# Altium PCB PCB-Tester-Board-V1.PcbDoc (part 3 of 7)
Units mil, origin at the board's own origin, x right, y up, seen from the top; angles counter-clockwise.
Board outline 15748.03 x 11811.02 mil, 8 copper layers (Top Layer, Inner1, Inner2, Inner3, Inner4, Inner5, Inner6, Bottom Layer), stack 59.646 mil thick; 751 components, 658 nets, 2830 pads, 1014 vias.
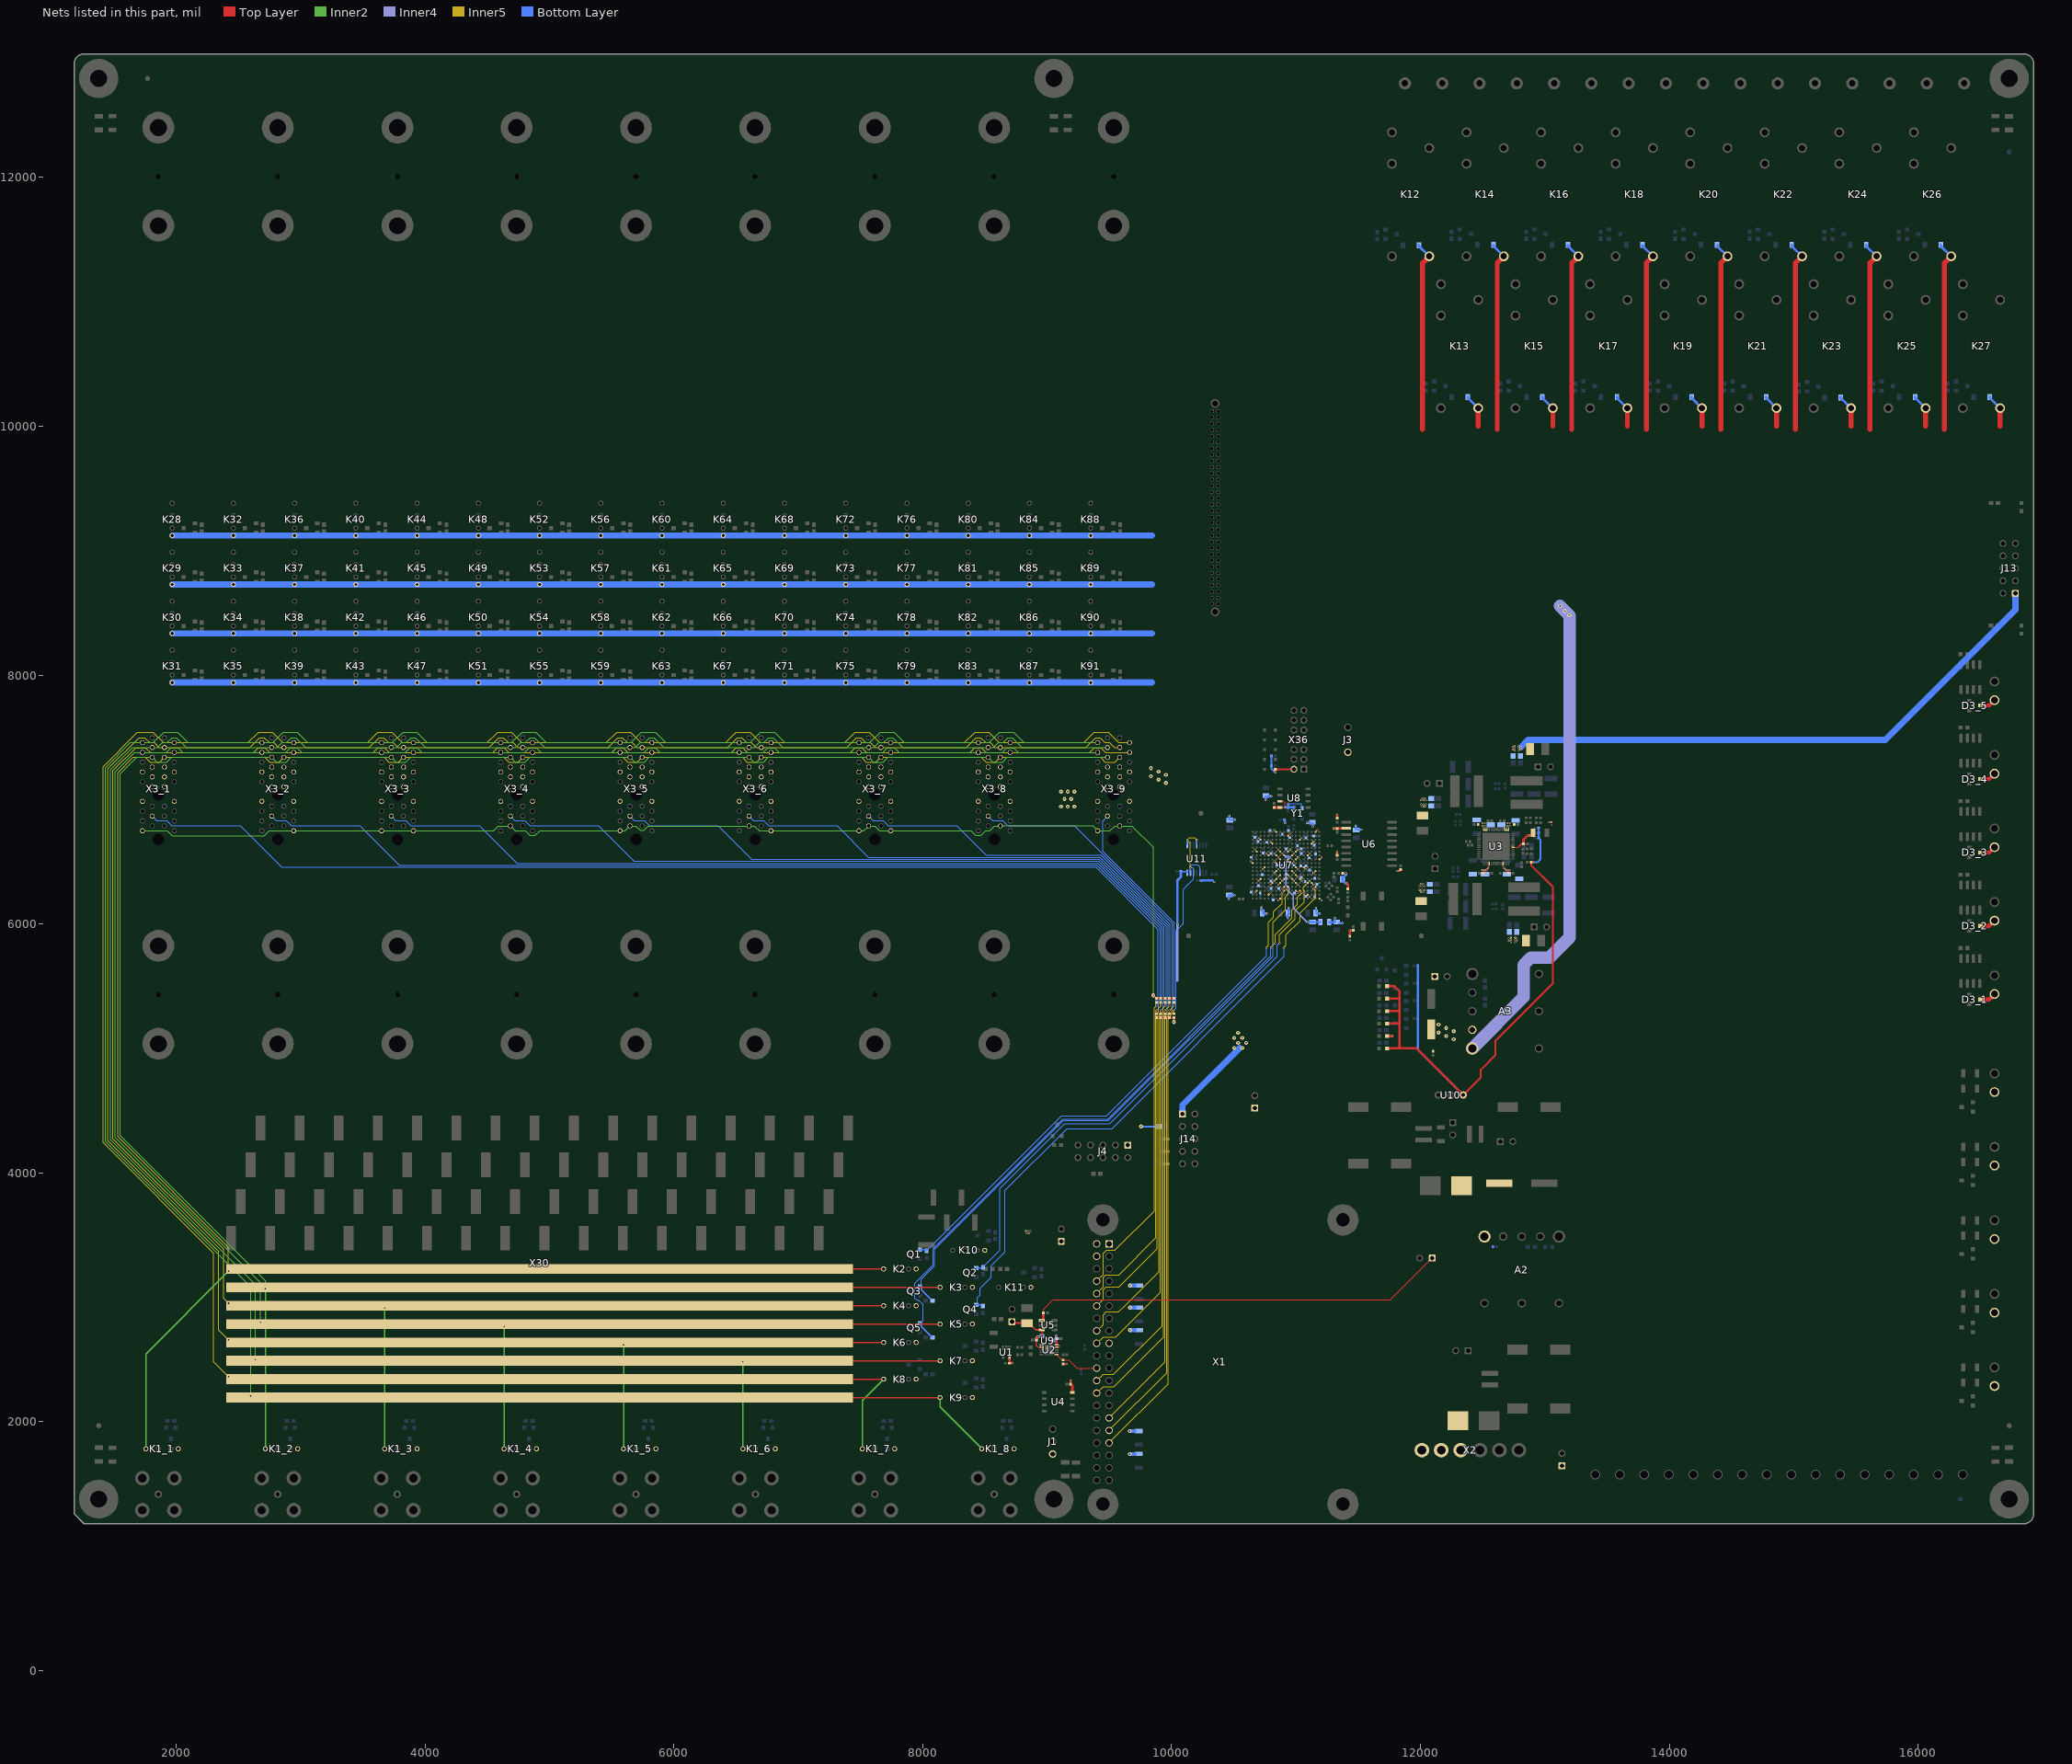
[diagram p9: the nets of this part, all layers, seen from the top]

## Part data (continued)
R1_1 R1_2 R1_3 R1_4 R1_5 R1_6 R1_7 R1_8 R2 R3 R4 R5 R6 R7 R8 R9 R14 R15 R16 R17 R18 R19 R20 R21 R22 R23 R24 R25 R26 R27 R28 R29 R30 R31 R32 R33 R38_1 R38_2 R38_3 R38_4 R38_5 R48 R49 R50 R51 R52 R53 R54 R55 R56 R57 R58 R59 R60 R61 R62 R63 R64 R65 R66 R67 R68 R69 R70 R71 R72 R73 R74 R75 R76 R77 R78 R79 R80 R81 R82 R83 R84 R85 R86 R87 R88 R89 R90 R91 R92 R93 R143 R144 R145 R146 R147 R148 R149 R150 R151 R152 R153 R154 R155 R156 R157 R158 R185 R187: "RES SMD 4.7K OHM 1% 1/10W 0603", 02. Distributor Part Number=311-4.70KHRCT-ND, 04. Manufacturer=Yageo, 07. Manufacturer  Part Number=RC0603FR-074K7L, 09. Operating Temperature=-xx..+yy°C, Tolerance=±1%, 01. Distributor=DigiKey, 03. Unit Price=0.09, 11. RoHS=???, 13. Created Date/Name=AUG2018/Hören, ComponentLink1Description=Info, ComponentLink2Description=DataSheet
R10 R11 R34 R35 R36 R37 R98 R100 R102 R104 R106 R184: library part R_10, "RES SMD 10K OHM 1% 1/16W 0402", 02. Distributor Part Number=311-10.0KLRDKR-ND, 04. Manufacturer=Yageo, 07. Manufacturer  Part Number=RC0402FR-0710KL, 09. Operating Temperature="-55°C ~ 155°C", Package=0402, Power Rating=63mW, Tolerance=±1%, 01. Distributor=DigiKey, 03. Unit Price=0.09, 11. RoHS=YES, 13. Created Date/Name=AUG2018/Hören, ComponentLink1Description=Info, ComponentLink1URL=https://www.digikey.de/products/en?keywords=311-10.0KLRDKR-ND, ComponentLink2Description=DataSheet, Type="Thick Film"
R12 R114: "RES SMD 33 OHM 1% 1/16W 0402", 02. Distributor Part Number=311-33.0LRDKR-ND, 04. Manufacturer=Yageo, 07. Manufacturer  Part Number=RC0402FR-0733RL, 09. Operating Temperature="-55°C ~ 155°C", Package=0402, Power Rating=0.1W, Tolerance=±1%, 01. Distributor=DigiKey, 03. Unit Price=0.09, 11. RoHS=YES, 13. Created Date/Name=AUG2018/Hören, ComponentLink1Description=Info, ComponentLink1URL=https://www.digikey.de/product-detail/en/panasonic-electronic-components/ERJ-2RKF15R0X/P15.0LDKR-ND/575530, ComponentLink2Description=DataSheet, ComponentLink2URL=https://industrial.panasonic.com/cdbs/www-data/pdf/RDA0000/AOA0000C304.pdf, Type="Thick Film"
R13: "RES SMD 1.8K OHM 1% 1/16W 0402", 02. Distributor Part Number=311-1.80KLRCT-ND, 04. Manufacturer=Yageo, 07. Manufacturer  Part Number=RC0402FR-071K8L, 09. Operating Temperature=-xx..+yy°C, Tolerance=±1%, 01. Distributor=DigiKey, 03. Unit Price=0.09, 11. RoHS=???, 13. Created Date/Name=AUG2018/Hören, ComponentLink1Description=Info, ComponentLink2Description=DataSheet
R39: "RES SMD 1.8K OHM 1% 1/16W 0402", 02. Distributor Part Number=311-1.80KLRCT-ND, 04. Manufacturer=Yageo, 07. Manufacturer  Part Number=RC0402FR-071K8L, 09. Operating Temperature="-55°C ~ 155°C", Package=0603, Power Rating=200mW, Tolerance=±1%, 01. Distributor=DigiKey, 03. Unit Price=0.09, 3D-Export=No, 11. RoHS=YES, 13. Created Date/Name=AUG2018/Hören, ComponentLink1Description=Info, ComponentLink1URL=https://www.digikey.de/product-detail/en/panasonic-electronic-components/ERJ-PB3B1801V/P19999DKR-ND/6215726, ComponentLink2Description=DataSheet, ComponentLink2URL=https://industrial.panasonic.com/cdbs/www-data/pdf/RDM0000/AOA0000C328.pdf
R40 R42: "RES SMD 16 OHM 1% 1/10W 0603", 02. Distributor Part Number=311-16.0HRDKR-ND, 04. Manufacturer=Yageo, 07. Manufacturer  Part Number=RC0603FR-0716RL, 09. Operating Temperature="-55°C ~ 155°C", Package=0603, Power Rating=100mW, Tolerance=±1%, 01. Distributor=DigiKey, 03. Unit Price=0.09, 3D-Export=No, 11. RoHS=YES, 13. Created Date/Name=AUG2018/Hören, ComponentLink1Description=Info, ComponentLink2Description=DataSheet, ComponentLink2URL=http://www.yageo.com/documents/recent/PYu-RC_Group_51_RoHS_L_10.pdf, Type="Thick Film"
  R40: ComponentLink1URL=https://www.digikey.de/product-detail/en/yageo/RC0603FR-0716R2L/311-16.2HRDKR-ND/732860
  R42: ComponentLink1URL=https://www.digikey.de/product-detail/en/yageo/RC0603FR-0716RL/311-16.0HRDKR-ND/732858
R41: "RES 8.56K OHM 0.1% 1/8W 0603", 02. Distributor Part Number=541-4554-6-ND, 04. Manufacturer="Vishay Dale", 07. Manufacturer  Part Number=TNPW06038K56BEEA, 09. Operating Temperature="-55°C ~ 155°C", Package=0603, Power Rating=125mW, Tolerance=±0.1%, 01. Distributor=DigiKey, 03. Unit Price=0.56, 3D-Export=No, 11. RoHS=YES, 13. Created Date/Name=AUG2018/Hören, ComponentLink1Description=Info, ComponentLink1URL=https://www.digikey.de/products/en/resistors/chip-resistor-surface-mount/52?k=&pkeyword=&sv=0&pv2085=u8.56+kOhms&pv3=370&sf=0&FV=ffe00034%2C1c00f3%2C1f140000&quantity=&ColumnSort=0&page=1&pageSize=25, ComponentLink2Description=DataSheet, ComponentLink2URL=http://www.vishay.com/docs/28758/tnpw_e3.pdf, Type="Thin Film"
R43 R94 R96 R118: "RES SMD 33 OHM 1% 1/16W 0402", 02. Distributor Part Number=311-33.0LRDKR-ND, 04. Manufacturer=Yageo, 07. Manufacturer  Part Number=RC0402FR-0733RL, 09. Operating Temperature="-55°C ~ 155°C", Package=0402, Power Rating=63mW, Tolerance=±1%, 01. Distributor=DigiKey, 03. Unit Price=0.09, 11. RoHS=YES, 13. Created Date/Name=AUG2018/Hören, ComponentLink1Description=Info, ComponentLink2Description=DataSheet, Type="Thick Film"
  R43 R118: ComponentLink1URL=https://www.digikey.de/products/en?keywords=311-33.0LRDKR-ND
  R94 R96: ComponentLink1URL=https://www.digikey.de/products/en?keywords=311-10.0KLRDKR-ND
R44 R46 R47 R160 R161 R164 R165: "RES SMD 4.7K OHM 1% 1/16W 0402", 02. Distributor Part Number=311-4.7KLRDKR-ND, 04. Manufacturer=Yageo, 07. Manufacturer  Part Number=RC0402FR-074K7L, 09. Operating Temperature="-55°C ~ 155°C", Package=0402, Power Rating=63mW, Tolerance=±1%, 01. Distributor=DigiKey, 03. Unit Price=0.09, 11. RoHS=YES, 13. Created Date/Name=AUG2018/Hören, ComponentLink1Description=Info, ComponentLink1URL=https://www.digikey.de/products/en?keywords=311-4.7KLRDKR-ND, ComponentLink2Description=DataSheet, Type="Thick Film"
R45 R159 R162: "RES SMD 330 OHM 1% 1/16W 0402", 02. Distributor Part Number=311-330LRDKR-ND, 04. Manufacturer=Yageo, 07. Manufacturer  Part Number=RC0402FR-07330RL, 09. Operating Temperature="-55°C ~ 155°C", Package=0402, Power Rating=63mW, Tolerance=±1%, 01. Distributor=DigiKey, 03. Unit Price=0.09, 11. RoHS=YES, 13. Created Date/Name=AUG2018/Hören, ComponentLink1Description=Info, ComponentLink1URL=https://www.digikey.de/products/en?keywords=311-330LRDKR-ND, ComponentLink2Description=DataSheet, Type="Thick Film"
R95 R97 R120 R121 R122 R124 R125 R126 R127 R128 R129 R130 R131 R132 R133 R134 R136 R137 R138 R139 R140 R186: "RES SMD 10K OHM 1% 1/16W 0402", 02. Distributor Part Number=311-10.0KLRDKR-ND, 04. Manufacturer=Yageo, 07. Manufacturer  Part Number=RC0402FR-0710KL, 09. Operating Temperature="-55°C ~ 155°C", Package=0402, Power Rating=63mW, Tolerance=±1%, 01. Distributor=DigiKey, 03. Unit Price=0.09, 11. RoHS=YES, 13. Created Date/Name=AUG2018/Hören, ComponentLink1Description=Info, ComponentLink1URL=https://www.digikey.de/products/en?keywords=311-10.0KLRDKR-ND, ComponentLink2Description=DataSheet, Type="Thick Film"
R99 R101 R105 R167 R168: "RES SMD 3.6K OHM 1% 1/10W 0603", 02. Distributor Part Number=311-3.60KHRCT-ND, 04. Manufacturer=Yageo, 07. Manufacturer  Part Number=RC0603FR-073K6L, 09. Operating Temperature="-55°C ~ 155°C", Package=0402, Power Rating=63mW, Tolerance=±1%, 01. Distributor=DigiKey, 03. Unit Price=0.09, 11. RoHS=YES, 13. Created Date/Name=AUG2018/Hören, ComponentLink1Description=Info, ComponentLink1URL=https://www.digikey.de/product-detail/en/yageo/RC0402FR-071K65L/YAG3043DKR-ND/5282914, ComponentLink2Description=DataSheet, Type="Thick Film"
R103: "RES SMD 1.65K OHM 1% 1/16W 0402", 02. Distributor Part Number=YAG3043DKR-ND, 04. Manufacturer=Yageo, 07. Manufacturer  Part Number=RC0402FR-071K65L, 09. Operating Temperature="-55°C ~ 155°C", Package=0402, Power Rating=63mW, Tolerance=±1%, 01. Distributor=DigiKey, 03. Unit Price=0.09, 11. RoHS=YES, 13. Created Date/Name=AUG2018/Hören, ComponentLink1Description=Info, ComponentLink1URL=https://www.digikey.de/product-detail/en/yageo/RC0402FR-071K65L/YAG3043DKR-ND/5282914, ComponentLink2Description=DataSheet, Type="Thick Film"
R107 R108 R115 R119 R163 R169 R170 R171 R172 R173 R174: library part R_19, "RES SMD 33 OHM 1% 1/16W 0402", 02. Distributor Part Number=311-33.0LRDKR-ND, 04. Manufacturer=Yageo, 07. Manufacturer  Part Number=RC0402FR-0733RL, 09. Operating Temperature="-55°C ~ 155°C", Package=0402, Power Rating=63mW, Tolerance=±1%, 01. Distributor=DigiKey, 03. Unit Price=0.09, 11. RoHS=YES, 13. Created Date/Name=AUG2018/Hören, ComponentLink1Description=Info, ComponentLink1URL=https://www.digikey.de/products/en?keywords=311-33.0LRDKR-ND, ComponentLink2Description=DataSheet, Type="Thick Film"
R109 R110 R113: "CRGP 2512 39K 1%", 02. Distributor Part Number=A130740CT-ND, 04. Manufacturer="TE Connectivity Passive Product", 07. Manufacturer  Part Number=CRGP2512F39K, 09. Operating Temperature=-xx..+yy°C, Tolerance=±1%, 01. Distributor=DigiKey, 03. Unit Price=0.44, 11. RoHS=???, 13. Created Date/Name=AUG2018/Hören, ComponentLink1Description=Info, ComponentLink2Description=DataSheet
R111 R112: "RES SMD 3.6K OHM 1% 1/10W 0603", 02. Distributor Part Number=311-3.60KHRCT-ND, 04. Manufacturer=Yageo, 07. Manufacturer  Part Number=RC0603FR-073K6L, 09. Operating Temperature=-xx..+yy°C, Tolerance=±1%, 01. Distributor=DigiKey, 03. Unit Price=0.09, 11. RoHS=???, 13. Created Date/Name=AUG2018/Hören, ComponentLink1Description=Info, ComponentLink2Description=DataSheet
R116_1 R116_2 R116_3 R116_4 R116_5 R117_1 R117_2 R117_3 R117_4 R117_5 R166_1 R166_2 R166_3 R166_4 R166_5: library part R_23, "RES SMD 12K OHM 1% 1/4W 1206", 02. Distributor Part Number=311-12.0KFRTR-ND, 04. Manufacturer=Yageo, 07. Manufacturer  Part Number=RC1206FR-0712KL, Package=1206, Tolerance=±1%, 01. Distributor=DigiKey, 03. Unit Price=0.00755, 11. RoHS=YES, ComponentLink1Description=Info, ComponentLink2Description=DataSheet
R123: library part R_24, "RES SMD 2.2 OHM 1% 1/16W 0402", 02. Distributor Part Number=311-2.20LRTR-ND, 04. Manufacturer=Yageo, 07. Manufacturer  Part Number=RC0402FR-072R2L, Package=0402, Power Rating=0.1W, Tolerance=±1%, 03. Unit Price=0.09, 11. RoHS=YES, ComponentLink1Description=Info, ComponentLink1URL=https://www.digikey.de/product-detail/en/panasonic-electronic-components/ERJ-2RKF15R0X/P15.0LDKR-ND/575530, ComponentLink2Description=DataSheet, ComponentLink2URL=https://industrial.panasonic.com/cdbs/www-data/pdf/RDA0000/AOA0000C304.pdf
R135 R141 R188: "RES SMD 1K OHM 1% 1/16W 0402", 02. Distributor Part Number=YAG1254CT-ND, 04. Manufacturer=Yageo, 07. Manufacturer  Part Number=RC0402FR-071KP, 09. Operating Temperature="-55°C ~ 155°C", Package=0402, Power Rating=63mW, Tolerance=±1%, 01. Distributor=DigiKey, 03. Unit Price=0.09, 11. RoHS=YES, 13. Created Date/Name=AUG2018/Hören, ComponentLink1Description=Info, ComponentLink1URL=https://www.digikey.de/products/en?keywords=311-10.0KLRDKR-ND, ComponentLink2Description=DataSheet, Type="Thick Film"
R142: library part R_25, "RES SMD 0 OHM JUMPER 1206", Package=1206, 11. RoHS=YES, ComponentLink1Description=Info, ComponentLink1URL=https://www.digikey.de/products/en?keywords=311-0.0JRDKR-ND, ComponentLink2Description=DataSheet
R175 R176: "RES SMD 1.8K OHM 1% 1/16W 0402", 02. Distributor Part Number=311-1.80KLRCT-ND, 04. Manufacturer=Yageo, 07. Manufacturer  Part Number=RC0402FR-071K8L, 09. Operating Temperature="-55°C ~ 155°C", Package=0402, Power Rating=63mW, Tolerance=±1%, 01. Distributor=DigiKey, 03. Unit Price=0.09, 11. RoHS=YES, 13. Created Date/Name=AUG2018/Hören, ComponentLink1Description=Info, ComponentLink1URL=https://www.digikey.de/product-detail/en/yageo/RC0402FR-071K65L/YAG3043DKR-ND/5282914, ComponentLink2Description=DataSheet, Type="Thick Film"
R177: "RES SMD 360K OHM 1% 1/4W 1206", 02. Distributor Part Number=311-360KFRCT-ND, 04. Manufacturer=Yageo, 07. Manufacturer  Part Number=RC1206FR-07360KL, 09. Operating Temperature=-xx..+yy°C, Tolerance=±1%, 01. Distributor=DigiKey, 03. Unit Price=0.09, 11. RoHS=???, 13. Created Date/Name=AUG2018/Hören, ComponentLink1Description=Info, ComponentLink2Description=DataSheet
R178 R179 R180 R181 R182 R183: "Resistor", 09. Operating Temperature=-xx..+yy°C, Tolerance=±1%, 11. RoHS=???, 13. Created Date/Name=AUG2018/Hören, ComponentLink1Description=Info, ComponentLink2Description=DataSheet
TP1 TP2 TP3 TP4 TP5 TP6 TP7 TP8 TP9 TP10 TP11 TP12 TP13: library part "DualTestpoint 100mils", "Dual testpoint, pitch 2.54mm", 02. Distributor Part Number=HMTSW-103-07-G-S-240, 04. Manufacturer="Samtec Inc.", 01. Distributor="Samtec Inc.", 03. Unit Price=0.25, 07. Manufacturer  Part Number=HMTSW-103-07-G-S-240, 11. RoHS=YES, 13. Created Date/Name=AUG2018/Hören, ComponentLink1Description=Info, ComponentLink1URL=https://www.samtec.com/products/hmtsw-103-07-g-s-240, ComponentLink2Description=DataSheet, ComponentLink2URL=http://suddendocs.samtec.com/catalog_english/hmtsw.pdf
U1: library part AD8627, "IC OPAMP JFET 5MHZ RRO SC70-5", 02. Distributor Part Number=AD8627AKSZ-R2DKR-ND, 04. Manufacturer="Analog Devices Inc.", 07. Manufacturer  Part Number=AD8627AKSZ-R2, 09. Operating Temperature="-40°C ~ 85°C", Package=SC70-5, 01. Distributor=DigiKey, 03. Unit Price=5.15, 11. RoHS=YES, 13. Created Date/Name="AUG 2018 / Hören", ComponentLink1Description=Info, ComponentLink1URL=https://www.digikey.de/product-detail/en/analog-devices-inc/AD8627AKSZ-R2/AD8627AKSZ-R2DKR-ND/3878640, ComponentLink2Description=DataSheet, ComponentLink2URL=http://www.analog.com/media/en/technical-documentation/data-sheets/AD8625_8626_8627.pdf, Part=AD8627
U2: library part MCP33151-10T-E/MN, "14-BIT 1 MSPS SGL CH SGL-ENDED S", 02. Distributor Part Number=MCP33151-10T-E/MNDKR-ND, 04. Manufacturer="Microchip Technology", Package="10-WFDFN Exposed Pad", 01. Distributor=DigiKey, 03. Unit Price=4.5, 07. Manufacturer  Part Number=MCP33151-10T-E/MN, 11. RoHS=YES, 13. Created Date/Name="AUG 2018 / Hören", ComponentLink1Description=Info, ComponentLink1URL=https://www.digikey.de/product-detail/en/microchip-technology/MCP33151-10T-E-MN/MCP33151-10T-E-MNDKR-ND/10270414, ComponentLink2Description=DataSheet, ComponentLink2URL=http://ww1.microchip.com/downloads/en/DeviceDoc/MCP33151-XX-Family-Data-Sheet-DS20006220A.pdf, NicName=MCP33151
U3: "POL - SUPIRBUCK", 02. Distributor Part Number=IRPS5401MTRPBFCT-ND, 04. Manufacturer="Infineon Technologies", 07. Manufacturer  Part Number=IRPS5401MTRPBF, MFR=Infineon, 01. Distributor=DigiKey, 03. Unit Price=6.99, 11. RoHS=YES, ComponentLink4Description=Info, ComponentLink4URL=https://www.digikey.de/products/en?keywords=XC7A15T-1CSG324C, ComponentLink5Description=DataSheet, ComponentLink5URL=https://www.xilinx.com/support/documentation/data_sheets/ds181_Artix_7_Data_Sheet.pdf, ComponentLink6Description=NXP, ComponentLink6URL=https://www.nxp.com/part/MK20DN512VMD10, MFR-PN=IRPS5401MTRPBF, NicName=IRPS5401M
U4: library part 24LC256T-I/SN, "IC EEPROM 256K I2C 400KHZ 8SOIC", 02. Distributor Part Number=24LC256T-I/SNDKR-ND, 04. Manufacturer="Microchip Technology", Package=SOIC8, 01. Distributor=DigiKey, 03. Unit Price=0.71, 07. Manufacturer  Part Number=24LC256T-I/SN, 11. RoHS=YES, 13. Created Date/Name="AUG 2018 / Hören", ComponentLink1Description=Info, ComponentLink1URL=https://www.digikey.de/product-detail/en/microchip-technology/24LC256T-I-SN/24LC256T-I-SNDKR-ND/1850685, ComponentLink2Description=DataSheet, ComponentLink2URL=http://ww1.microchip.com/downloads/en/DeviceDoc/24AA256-24LC256-24FC256-Data-Sheet-20001203W.pdf
U5: library part LT1790BCS6-5, "IC VREF SERIES 5V, 0.1% TSOT-23-6", 02. Distributor Part Number=LT1790BCS6-5#TRMPBFDKR-ND, 04. Manufacturer="Linear Technology/Analog Devices", 07. Manufacturer  Part Number=LT1790BCS6-5#TRMPBF, 09. Operating Temperature="0°C ~ 70°C (TA)", 01. Distributor=DigiKey, 03. Unit Price=2.86, 11. RoHS=YES, 13. Created Date/Name="AUG 2018 / Hören", ComponentLink1Description=Info, ComponentLink1URL=https://www.digikey.de/product-detail/en/linear-technology-analog-devices/LT1790BCS6-5-TRMPBF/LT1790BCS6-5-TRMPBFDKR-ND/1618066, ComponentLink2Description=DataSheet, ComponentLink2URL=https://www.analog.com/media/en/technical-documentation/data-sheets/1790fc.pdf, NicName=LT1790BCS6-5
U6: library part S25FL128SAGMFI000, "IC FLASH 128M SPI 133MHZ 16SOIC", 02. Distributor Part Number=1274-1000-ND, 04. Manufacturer="Cypress Semiconductor Corp", 01. Distributor=Digikey, 03. Unit Price=2.77, 07. Manufacturer  Part Number=S25FL128SAGMFI000, ComponentLink2Description=DataSheet, NickName=S25FL128SAGMFI000
U7: library part XC7A15T-CS324, "XC7A15T-1CSG324C", 04. Manufacturer=XILINX, 09. Operating Temperature="0°C ~ 85°C (TJ)", 01. Distributor=Avnet, 02. Distributor Part Number=XC7A15T-1CSG324C, 03. Unit Price=20.65, 07. Manufacturer  Part Number=XC7A15T-1CSG324C, 11. RoHS=YES, ComponentLink4Description=Info, ComponentLink4URL=https://www.digikey.de/products/en?keywords=XC7A15T-1CSG324C, ComponentLink5Description=DataSheet, ComponentLink5URL=https://www.xilinx.com/support/documentation/data_sheets/ds181_Artix_7_Data_Sheet.pdf, ComponentLink6Description=NXP, ComponentLink6URL=https://www.nxp.com/part/MK20DN512VMD10, MFR=XILINX, MFR-PN=XC7A15T-CS324, NicName=XC7A15T, POPULATED=yes
U8: library part MX25R3235FM1IH0, "IC FLASH 32M SPI 80MHZ 8SOP", 02. Distributor Part Number=1092-1175-ND, 04. Manufacturer=Macronix, 01. Distributor=DigiKey, 03. Unit Price=0.79, 07. Manufacturer  Part Number=MX25R3235FM1IH0, 13. Created Date/Name="AUG 2018 / Hören", ComponentLink1Description=Info, ComponentLink1URL=https://www.digikey.de/product-detail/en/macronix/MX25R3235FM1IH0/1092-1175-ND/5957736, ComponentLink2Description=DataSheet, ComponentLink2URL=https://www.macronix.com/Lists/Datasheet/Attachments/7534/MX25R3235F%2c%20Wide%20Range%2c%2032Mb%2c%20v1.6.pdf
U9: library part AP2138N, "IC REG LINEAR 1.8V 250MA SOT23-3", 02. Distributor Part Number=AP2138N-1.8TRG1DICT-ND, 04. Manufacturer="Diodes Incorporated", 07. Manufacturer  Part Number=AP2138N-1.8TRG1, 01. Distributor=DigiKey, 03. Unit Price=0.43, 11. RoHS=YES, ComponentLink1Description=Info, ComponentLink2Description=DataSheet
U10: library part "TSR 2-2450", "DC DC CONVERTER 5V 10W", 02. Distributor Part Number=1951-2692-ND, 04. Manufacturer="Traco Power", Package=3SIP, 01. Distributor=DigiKey, 03. Unit Price=11.31, 07. Manufacturer  Part Number="TSR 2-2450", 11. RoHS=YES, 13. Created Date/Name="AUG 2018 / Hören", ComponentLink1Description=Info, ComponentLink1URL=https://www.digikey.de/products/en/power-supplies-board-mount/dc-dc-converters/922?k=TSR2&k=&pkeyword=TSR2&sv=0&pv1525=249171&sf=0&FV=-8%7C922&quantity=&ColumnSort=0&page=1&pageSize=25, ComponentLink2Description=DataSheet, ComponentLink2URL=https://www.tracopower.com/products/tsr2.pdf
U11: library part 74LCX125, "IC BUF NON-INVERT 3.6V 14TSSOP", 02. Distributor Part Number=497-13204-1-ND, 04. Manufacturer=STMicroelectronics, 07. Manufacturer  Part Number=74LCX125YTTR, Package=TSSOP14, 01. Distributor=DigiKey, 03. Unit Price=0.51, 11. RoHS=YES, ComponentLink1Description=Info, ComponentLink2Description=DataSheet
X1: library part "RPI4B Footprint", "40 Position Elevated Socket Connector  Through Hole", 02. Distributor Part Number=ESW-120-23-L-D-LL, 04. Manufacturer="Samtec Inc.", 01. Distributor=Samtec, 03. Unit Price=5.34, 07. Manufacturer  Part Number=ESW-120-23-L-D-LL, 13. Created Date/Name="??? / Hören", ComponentLink1Description=Info, ComponentLink1URL=https://www.samtec.com/products/esw-120-23-l-d-ll, ComponentLink2Description=DataSheet, ComponentLink2URL=http://suddendocs.samtec.com/catalog_english/esw_th.pdf, System=Connector
X2: library part B6PS-VH, "CONN HEADER R/A 6POS 3.96MM", 02. Distributor Part Number=455-1652-ND, 04. Manufacturer="JST Sales America Inc.", 07. Manufacturer  Part Number=B6PS-VH(LF)(SN), 09. Operating Temperature="-25°C ~ 85°C", 01. Distributor=DigiKey, 03. Unit Price=0.38, 11. RoHS=YES, 13. Created Date/Name="AUG 2018 / Hören", ComponentLink1Description=Info, ComponentLink1URL=https://www.digikey.de/product-detail/en/jst-sales-america-inc/B6PS-VH-LF-SN/455-1652-ND/926559, ComponentLink2Description=DataSheet, ComponentLink2URL=http://www.jst-mfg.com/product/pdf/eng/eVH.pdf, System=Connector
X3_1 X3_2 X3_3 X3_4 X3_5 X3_6 X3_7 X3_8 X3_9: library part PCIE-036-02-F-D-TH, "CONN PCI EXP FMALE 36POS 0.039", 02. Distributor Part Number=SAM10625-ND, 04. Manufacturer="Samtec Inc.", 01. Distributor=DigiKey, 03. Unit Price=1.76, 07. Manufacturer  Part Number=PCIE-036-02-F-D-TH, 13. Created Date/Name="??? / Hören", ComponentLink1Description=Info, ComponentLink1URL=https://www.digikey.de/products/en?keywords=PCIE-036-02-F-D-TH, ComponentLink2Description=DataSheet, ComponentLink2URL=http://suddendocs.samtec.com/catalog_english/pcie.pdf, System=Connector
X4 X7 X10 X15 X17 X21 X25 X27: library part 691352710002, "TERM BLOCK PLUG 2POS STR 5MM", 02. Distributor Part Number=732-2775-ND, 04. Manufacturer="Würth Elektronik", 01. Distributor=DigiKey, 03. Unit Price=1.1, 07. Manufacturer  Part Number=691352710002, 13. Created Date/Name="??? / Hören", ComponentLink1Description=Info, ComponentLink1URL=https://www.digikey.de/products/en?keywords=691352710002, ComponentLink2Description=DataSheet, ComponentLink2URL=https://www.we-online.de/katalog/datasheet/6913527100xx.pdf, System=Connector
X5 X8 X11 X14 X18 X20 X23 X26: library part 1731721, "TERM BLK 2P SIDE ENT 7.62MM PCB", 02. Distributor Part Number=277-5849-ND, 04. Manufacturer="Phoenix Contact", 01. Distributor=DigiKey, 03. Unit Price=2.12, 07. Manufacturer  Part Number=1731721, 11. RoHS=YES, 13. Created Date/Name="JAN 2019 / Hören", ComponentLink1Description=Info, ComponentLink1URL=https://www.digikey.de/products/en?keywords=1731721, ComponentLink2Description=DataSheet, ComponentLink2URL=https://media.digikey.com/pdf/Data%20Sheets/Phoenix%20Contact%20PDFs/1731721.pdf, System=Connector
X6 X9 X12 X13 X16 X19 X22 X24: library part 691312710002, "TERM BLOCK HDR 2POS 90DEG 5MM", 02. Distributor Part Number=732-2805-ND, 04. Manufacturer="Würth Elektronik", 01. Distributor=DigiKey, 03. Unit Price=0.244, 07. Manufacturer  Part Number=691312710002, 13. Created Date/Name="??? / Hören", ComponentLink1Description=Info, ComponentLink2Description=DataSheet, System=Connector
X28: library part TFC-132-01-F-D-LA, "CONN HEADER TH RA 48POS 1.27MM", 04. Manufacturer="Samtec Inc.", 01. Distributor="Samtec Inc.", 02. Distributor Part Number=TFC-132-01-F-D-LA, 03. Unit Price=5, 07. Manufacturer  Part Number=TFC-132-01-F-D-LA, 11. RoHS=YES, 13. Created Date/Name="??? / Hören", ComponentLink1Description=Info, ComponentLink1URL=https://www.samtec.com/products/tfc-124-01-f-d-ra, ComponentLink2Description=DataSheet, System=Connector
X30: library part CONFIG64, "PCB Tester Configuration Matrix for 64 Relays over 8 ABUSes", 13. Created Date/Name="??? / Hören", ComponentLink1Description=Info, ComponentLink2Description=DataSheet
X31_1 X31_2 X31_3 X31_4 X31_5 X33_1 X33_2 X33_3 X33_4 X33_5: library part 691322310002, "TERM BLOCK HDR 2POS 90DEG 3.81MM", 02. Distributor Part Number=732-2088-ND, 04. Manufacturer="Würth Elektronik", 01. Distributor=DigiKey, 03. Unit Price=0.32, 07. Manufacturer  Part Number=691322310002, 11. RoHS=YES, 13. Created Date/Name="??? / Hören", ComponentLink1Description=Info, ComponentLink1URL=https://www.digikey.de/products/en?keywords=691322310002, ComponentLink2Description=DataSheet, ComponentLink2URL=https://media.digikey.com/pdf/Data%20Sheets/Wurth%20Electronics%20PDFs/Terminal%20Blocks%20WR-TBL.pdf, System=Connector
X32_1 X32_2 X32_3 X32_4 X32_5 X34_1 X34_2 X34_3 X34_4 X34_5: library part 691361300002, "TERM BLOCK PLUG 2POS STR 3.81MM", 02. Distributor Part Number=732-2076-ND, 04. Manufacturer="Würth Elektronik", 01. Distributor=DigiKey, 03. Unit Price=1.1, 07. Manufacturer  Part Number=691361300002, 13. Created Date/Name="??? / Hören", ComponentLink1Description=Info, ComponentLink1URL=https://www.digikey.de/products/en?keywords=691361300002, ComponentLink2Description=DataSheet, ComponentLink2URL=https://media.digikey.com/pdf/Data%20Sheets/Wurth%20Electronics%20PDFs/Terminal%20Blocks%20WR-TBL.pdf, System=Connector
X36: library part LTMM-107-02-F-D, "CONN HEADER VERT 14POS 2MM", 02. Distributor Part Number=LTMM-107-02-F-D-ND, 04. Manufacturer="Samtec Inc.", 01. Distributor=DigiKey, 03. Unit Price=2.38, 07. Manufacturer  Part Number=LTMM-107-02-F-D, 11. RoHS=YES, 13. Created Date/Name="??? / Hören", ComponentLink1Description=Info, ComponentLink1URL=https://www.digikey.de/product-detail/en/samtec-inc/LTMM-107-02-F-D/LTMM-107-02-F-D-ND/8723899, ComponentLink2Description=DataSheet, ComponentLink2URL=https://www.samtec.com/products/ltmm, NickName=JTAG, System=Connector
Y1: library part ASE-25.000MHZ-LC-T, "XTAL OSC XO 25.0000MHZ CMOS SMD", 02. Distributor Part Number=535-9568-1-ND, 04. Manufacturer="Abracon LLC", Frequency=25MHz, Package=4SMD, 01. Distributor=DigiKey, 03. Unit Price=1.46, 07. Manufacturer  Part Number=ASE-25.000MHZ-LC-T, 11. RoHS=YES, 13. Created Date/Name="AUG 2018 / Hören", ComponentLink1Description=Info, ComponentLink1URL=https://www.digikey.de/products/en?keywords=535-9568-1-ND, ComponentLink2Description=DataSheet
Z1 Z2 Z3 Z4: library part HSM2.5-6.4-16-2, "HEX STANDOFF M2.5 BRASS 16MM", 02. Distributor Part Number=HSM2.5-6.4-16-2-ND, 04. Manufacturer="Essentra Components", 01. Distributor=DigiKey, 03. Unit Price=2.69, 07. Manufacturer  Part Number=HSM2.5-6.4-16-2, 13. Created Date/Name="??? / Hören", ComponentLink1Description=Info, ComponentLink1URL=https://www.digikey.de/products/en/hardware-fasteners-accessories/board-spacers-standoffs/582?k=standoff&k=&pkeyword=standoff&sv=0&pv741=29561&sf=0&FV=29%7C371405%2C1839%7C370197%2C1989%7C0%2C-8%7C582&quantity=&ColumnSort=-1000009&page=1&pageSize=25, ComponentLink2Description=DataSheet, ComponentLink2URL=https://www.essentracomponents.com.sg/images-line/pdfs/HTNSP.pdf

## Via types
v1: diameter 15.75, hole 7.87, Top Layer to Bottom Layer, 599 vias
v2: diameter 31.5, hole 11.81, Top Layer to Bottom Layer, 361 vias
v3: diameter 27.56, hole 11.81, Top Layer to Bottom Layer, 54 vias

## Nets (pads, with @x,y where several pads share a name; then routed paths per layer and width w, separated by ;. In a path a pad name is that pad's centre, name@x,y a point inside that pad or via, vN(x,y) a via of type N, cw(c..) or ccw(c..) an arc to the next point about the centre after c; other vN are vias at no path point)
1V0: C66.1 C310.1 C311.1 C312.1 C313.1 C314.1 C315.1 C316.1 C317.1 C476.1 C477.1 J5.2 J6.2 U7.F8 U7.F10 U7.G7 U7.G9 U7.G11 U7.H8 U7.J7 U7.J11 U7.K8 U7.L7 U7.L11 U7.M8 U7.M10 U7.N7 U7.N9 U7.N11 | length 466.8
  Top Layer w6: v1(10826.77,6346.46) U7.N7@10842.52,6362.2 ; v1(10826.77,6409.45) U7.L7@10842.52,6425.2 ; v1(10826.77,6503.94) U7.J7@10842.52,6488.19 ; v1(10826.77,6566.93) U7.G7@10842.52,6551.18 ; v1(10858.27,6377.95) U7.M8@10874.02,6393.7 ; v1(10858.27,6440.94) U7.K8@10874.02,6456.69 ; v1(10858.27,6535.43) U7.H8@10874.02,6519.69 ; v1(10858.27,6598.43) U7.F8@10874.02,6582.68 ; v1(10889.76,6346.46) U7.N9@10905.51,6362.2 ; v1(10889.76,6566.93) U7.G9@10905.51,6551.18 ; U7.M10@10937.01,6393.7 v1(10952.76,6377.95) ; U7.F10@10937.01,6582.68 v1(10952.76,6598.43) ; U7.N11@10968.5,6362.2 v1(10984.25,6346.46) ; U7.L11@10968.5,6425.2 v1(10984.25,6409.45) ; U7.J11@10968.5,6488.19 v1(10984.25,6503.94) ; U7.G11@10968.5,6551.18 v1(10984.25,6566.93)
  Bottom Layer w18: v1(10724.1,6132.21) 10724.1,6114.48 C310.1@10734.25,6104.33 ; C310.1@10738.19,6084.65 v1(10764.31,6084.65) ; v1(11089.82,6812.99) C316.1@11115.94,6812.99 ; v1(11135.63,6782.93) C316.1@11135.63,6809.06
  other v1: 12728.16,5854.8 12760.69,5854.8 12712.16,5864.8 12776.69,5864.8 12728.16,5873.8 12760.69,5873.8 12712.16,5883.8 12776.69,5883.8 12728.16,5892.8 12760.69,5892.8
1V8: C9.1 C67.1 C318.1 C430.1 C431.1 C432.1 C433.1 C434.1 C435.1 J7.2 J8.2 L1.1 U7.F12 U7.H12 U7.K12 U7.M12 | length 239.1
  Top Layer w6: U7.M12@11000,6393.7 v1(11015.75,6377.95) ; U7.K12@11000,6456.69 v1(11015.75,6440.94) ; U7.H12@11000,6519.69 v1(11015.75,6535.43) ; U7.F12@11000,6582.68 v1(11015.75,6598.43)
  Bottom Layer w18: C318.1@11161.42,6104.33 v1(11161.42,6130.46) ; C318.1@11165.35,6084.65 v1(11191.48,6084.65) ; L1.1@11267.72,6015.75 C9.1@11313.27,6015.75 ; C9.1@11313.27,6023.62 v1(11313.27,6049.75) ; C9.1@11346.46,6007.56 v1(11372.58,6007.56)
  other v1: 12005,6257 12024,6257 11995,6273 12014,6273 12033,6273 11995,6305.54 12014,6305.54 12033,6305.54 12005,6321.54 12024,6321.54
1V8A: C10.1 C471.1 L1.2 U7.H10 | length 764.4
  Top Layer w6: U7.H10@10937.01,6519.69 v1(10952.76,6535.43)
  Inner4 w10: v1(10952.76,6535.43) 10920.63,6503.31 10920.63,6315.05 10946.35,6289.34 10946.35,6258.38 10977.68,6227.04 10977.68,6129.46 v1(11091.08,6016.06)
  Bottom Layer w16: C471.1@10921.26,6539.37 10948.82,6539.37 v1(10952.76,6535.43)
  Bottom Layer w18: v1(11091.08,6016.06) L1.2@11196.85,6016.06
2V5: C68.1 J9.2 J10.2
  other v1: 12016.3,6945.78 12035.3,6945.78 12006.3,6961.78 12025.3,6961.78 12044.3,6961.78 12006.3,6994.31 12025.3,6994.31 12044.3,6994.31 12016.3,7010.31 12035.3,7010.31
3V3: C17.1 C36.2 C37.1 C69.1 C436.1 C437.1 C438.1 C439.1 C440.1 C441.1 C442.1 C443.1 C444.1 C445.1 C446.1 C447.1 C448.1 C449.1 C450.1 C451.1 C452.1 C453.1 C454.1 C455.1 C456.1 C457.1 C458.1 C459.1 C460.1 C461.1 C462.1 C463.1 C464.1 C465.1 C466.1 C467.1 C468.1 C469.1 D5.2 J3.1 J11.2 J12.2 J13.1 R44.2 R45.2 R46.2 R47.2 R159.2 R160.2 R161.2 R164.2 R165.2 R184.2 R186.1 U6.2 U7.A7 U7.A17 U7.B10 U7.C3 U7.C13 U7.D6 U7.D16 U7.F2 U7.G5 U7.G15 U7.H18 U7.J1 U7.K4 U7.K14 U7.L17 U7.N3 U7.N13 U7.P6 U7.P8 U7.P12 U7.P16 U7.R9 U7.T2 U7.T12 U7.U5 U7.U15 U7.V8 U7.V18 U8.7 U8.8 X36.2 Y1.1 Y1.4 | length 6788.7
  Top Layer w6: v1(10637.8,6503.94) U7.J1@10653.54,6488.19 ; v1(10669.29,6251.97) U7.T2@10685.04,6267.72 ; v1(10669.29,6598.43) U7.F2@10685.04,6582.68 ; v1(10700.79,6346.46) U7.N3@10716.54,6362.2 ; v1(10700.79,6692.91) U7.C3@10716.54,6677.17 ; v1(10732.28,6440.94) U7.K4@10748.03,6456.69 ; v1(10763.78,6566.93) U7.G5@10779.53,6551.18 ; U7.U5@10779.53,6236.22 v1(10795.28,6251.97) ; v1(10795.28,6314.96) U7.P6@10811.02,6330.71 ; v1(10795.28,6661.42) U7.D6@10811.02,6645.67 ; v1(10826.77,6755.91) U7.A7@10842.52,6740.16 ; v1(10858.27,6188.98) U7.V8@10874.02,6204.72 ; v1(10858.27,6314.96) U7.P8@10874.02,6330.71 ; v1(10889.76,6283.46) U7.R9@10905.51,6299.21 ; U7.B10@10937.01,6708.66 v1(10952.76,6724.41) ; U7.T12@11000,6267.72 v1(11015.75,6251.97) ; U7.P12@11000,6330.71 v1(11015.75,6314.96) ; U7.N13@11031.5,6362.2 v1(11047.24,6346.46) ; U7.C13@11031.5,6677.17 v1(11047.24,6692.91) ; U7.K14@11062.99,6456.69 v1(11078.74,6440.94) ; U7.U15@11094.49,6236.22 v1(11110.24,6220.47) ; U7.G15@11094.49,6551.18 v1(11110.24,6566.93) ; U7.P16@11125.98,6330.71 v1(11141.73,6314.96) ; U7.D16@11125.98,6645.67 v1(11141.73,6661.42) ; v1(11141.73,6409.45) U7.L17@11157.48,6425.2 ; U7.A17@11157.48,6740.16 v1(11173.23,6755.91) ; U7.V18@11188.98,6204.72 v1(11204.72,6188.98) ; U7.H18@11188.98,6519.69 v1(11204.72,6535.43)
  Top Layer w8: U8.8@10871.25,6936.81 10871.45,6937.01 v1(10910.88,6937.01) 10910.88,6974.44 10898.57,6986.76 U8.7@10871.25,6986.81 U8.7@10871.25,6986.81
  Top Layer w10: C36.2@10826.77,6936.81 C36.2@10830.51,6940.55 ; R159.2@11376.62,6406.7 11401.56,6406.7 v1(11402.09,6407.23)
  Top Layer w15: v1(10834.65,7216.54) D5.2@10834.65,7244.09 X36.2@10984.25,7244.09
  Top Layer w18: v1(11303.79,6768.36) C37.1@11331.35,6768.36 ; R47.2@11330.71,6551.18 v1(11330.71,6578.74) ; C37.1@11330.71,6767.72 C37.1@11331.35,6768.36 ; R164.2@11330.71,6850.39 v1(11330.71,6877.95) ; U6.2@11403.55,6769 11331.99,6769 C37.1@11331.35,6768.36 ; v1(11406.05,6327.85) 11417.32,6316.57 R45.2@11417.32,6283.46 ; R186.1@11433.07,5901.57 v1(11433.07,5948.82) R46.2@11460.63,5948.82 ; v1(11814.96,6426.18) 11831.69,6426.18 R165.2@11842.52,6437.01
  Top Layer w20: C36.2@10826.77,6936.81 U8.8@10871.25,6936.81
  Bottom Layer w8: v1(10937.01,6967.07) 10938.32,6968.38 11041.68,6968.38 11046.37,6963.69 11046.37,6932.96 Y1.1@11048.23,6931.1
  Bottom Layer w15: R184.2@10239.22,6350.61 10330.64,6350.61 v1(10344.37,6336.89) ; R161.2@10802.17,7350.39 R160.2@10802.17,7271.65 10802.58,7271.24 10802.58,7248.6 v1(10834.65,7216.54)
  Bottom Layer w18: v1(10460.63,6201.24) C456.1@10460.63,6227.36 ; C463.1@10464.57,6842.52 v1(10464.57,6868.65) ; C456.1@10480.32,6231.3 v1(10506.44,6231.3) ; C463.1@10484.25,6838.58 v1(10510.38,6838.58) ; v1(10755.91,6997.5) C451.1@10755.91,7023.62 ; C451.1@10775.59,7027.56 v1(10801.72,7027.56) ; C453.1@10905.51,6838.58 10912.68,6831.41 v1(10912.68,6810.63) ; v1(10910.88,6937.01) C17.1@10937.01,6937.01 10979.47,6937.01 10983.27,6933.21 Y1.4@10983.27,6931.1 ; v1(10935.61,6048.23) 10935.61,6074.39 C436.1@10944.88,6083.66 ; C17.1@10937.01,6940.94 v1(10937.01,6967.07) ; C436.1@10940.94,6103.35 v1(10940.94,6129.47) ; C437.1@11372.88,6367.16 11402.09,6396.38 v1(11402.09,6407.23) ; C437.1@11374.02,6360.43 11374.02,6352.56 11398.72,6327.85 v1(11406.05,6327.85) ; C444.1@11480.75,6762.8 v1(11480.75,6788.92) ; C444.1@11500.43,6758.86 v1(11526.56,6758.86)
  Bottom Layer w50: v1(12807.68,7422.2) 12810.2,7422.2 12836,7448 12836,7450.52 12865.57,7480.09 15736.12,7480.09 16782.28,8526.25 J13.1@16782.28,8658.27
  other v1: 12759.14,7394.2 12791.68,7394.2 12743.14,7403.2 12807.68,7403.2 12759.14,7413.2 12791.68,7413.2 12743.14,7422.2 12759.14,7432.2 12791.68,7432.2
3V3RPI: C1.1 C2.1 C65.1 C77.1 J1.1 J4.1 J15.2 R10.2 R11.2 R34.2 R35.2 R36.2 R37.2 R98.2 R100.2 R102.2 R104.2 R106.2 R166_1.2 R166_2.2 R166_3.2 R166_4.2 R166_5.2 TP1.1 U2.9 U2.10 U4.8 U9.3 U11.14 X1.1 X1.17 X3_1.B18 X3_2.A18 X3_3.A18 X3_3.B18 X3_4.B17 X3_5.B17 X3_5.B18 X3_6.A18 X3_6.B17 X3_7.A18 X3_7.B17 X3_7.B18 X3_8.A17 X3_9.A17 X3_9.B18 | length 11643.4
  Top Layer w6: U2.9@9074.8,2598.43 9098.69,2598.43 9102.2,2601.94 9102.2,2614.6 9098.69,2618.11 U2.10@9074.8,2618.11
  Top Layer w11.81: R10.2@9127.95,2464.57 v1(9157.48,2464.57)
  Top Layer w12: v1(9074.35,2694.49) 9074.67,2694.16 9074.67,2671.39 C2.1@9078.74,2667.32
  Top Layer w15: U2.10@9078.74,2619.7 C2.1@9078.74,2667.32 ; v2(9853.72,5427.09) R34.2@9878.5,5402.31 R36.2@9913.66,5402.31 R98.2@9948.82,5402.31 R102.2@9983.98,5402.31 R106.2@10019.98,5402.31 ; R35.2@9878.5,5247.56 R37.2@9913.66,5247.56 R100.2@9948.82,5247.56 R104.2@9983.98,5247.56 R11.2@10019.14,5247.56 v2(10019.14,5212.6)
  Top Layer w20: v1(9188.98,2332.68) C1.1@9188.98,2303.15 9202.76,2289.37 U4.8@9202.76,2235.83
  Inner2 w8: X3_1.B18@1729.82,6749.13 1928,6749.13 1968.47,6708.66 2708.71,6708.66 2749.18,6749.13 X3_2.A18@2945.37,6749.13 X3_3.B18@3651.57,6749.13 X3_3.A18@3907.48,6749.13 4551.16,6749.13 4590.53,6788.5 X3_4.B17@4687.5,6788.5 4726.87,6749.13 4806.57,6749.13 4844.53,6711.17 4886.28,6711.17 4924.24,6749.13 X3_5.B18@5568.41,6749.13 5607.78,6749.13 X3_5.B17@5647.15,6788.5 5695.35,6788.5 5729.61,6754.25 5761.28,6754.25 5795.53,6788.5 X3_6.B17@6603.79,6788.5 ; X3_6.B17@6604.33,6788.5 6649.07,6788.5 6688.44,6749.13 X3_6.A18@6781.5,6749.13 X3_7.B18@7487.7,6749.13 7527.07,6749.13 X3_7.B17@7566.44,6788.5 7569.33,6785.61 7617.54,6785.61 7654.02,6749.13 X3_7.A18@7743.6,6749.13 8388.9,6749.13 8426.81,6711.21 8469.96,6711.21 8507.88,6749.13 8538.05,6749.13 8577.42,6788.5 X3_8.A17@8624.51,6788.5 8625.42,6789.41 9366.73,6789.41 X3_9.B18@9407.01,6749.13 9503.9,6749.13 9543.27,6788.5 X3_9.A17@9584.17,6788.5 9681.45,6788.5 9853.43,6616.52 9853.43,5427.38 v2(9853.72,5427.09)
  Inner4 w20: 10047.24,5547.24 v1(10047.24,5995.76)
  Bottom Layer w13.78: C77.1@10074.8,6421.26 10125.98,6421.26 U11.14@10125.98,6411.42
  Bottom Layer w15: U9.3@9049.21,2652.56 9057.46,2660.81 9078.67,2660.81 C65.1@9085.18,2667.32 ; v2(9755.91,4373.23) J15.2@9895.76,4373.23